# Altium PCB MCU014B_D1.PcbDoc (part 4 of 5) (continued)
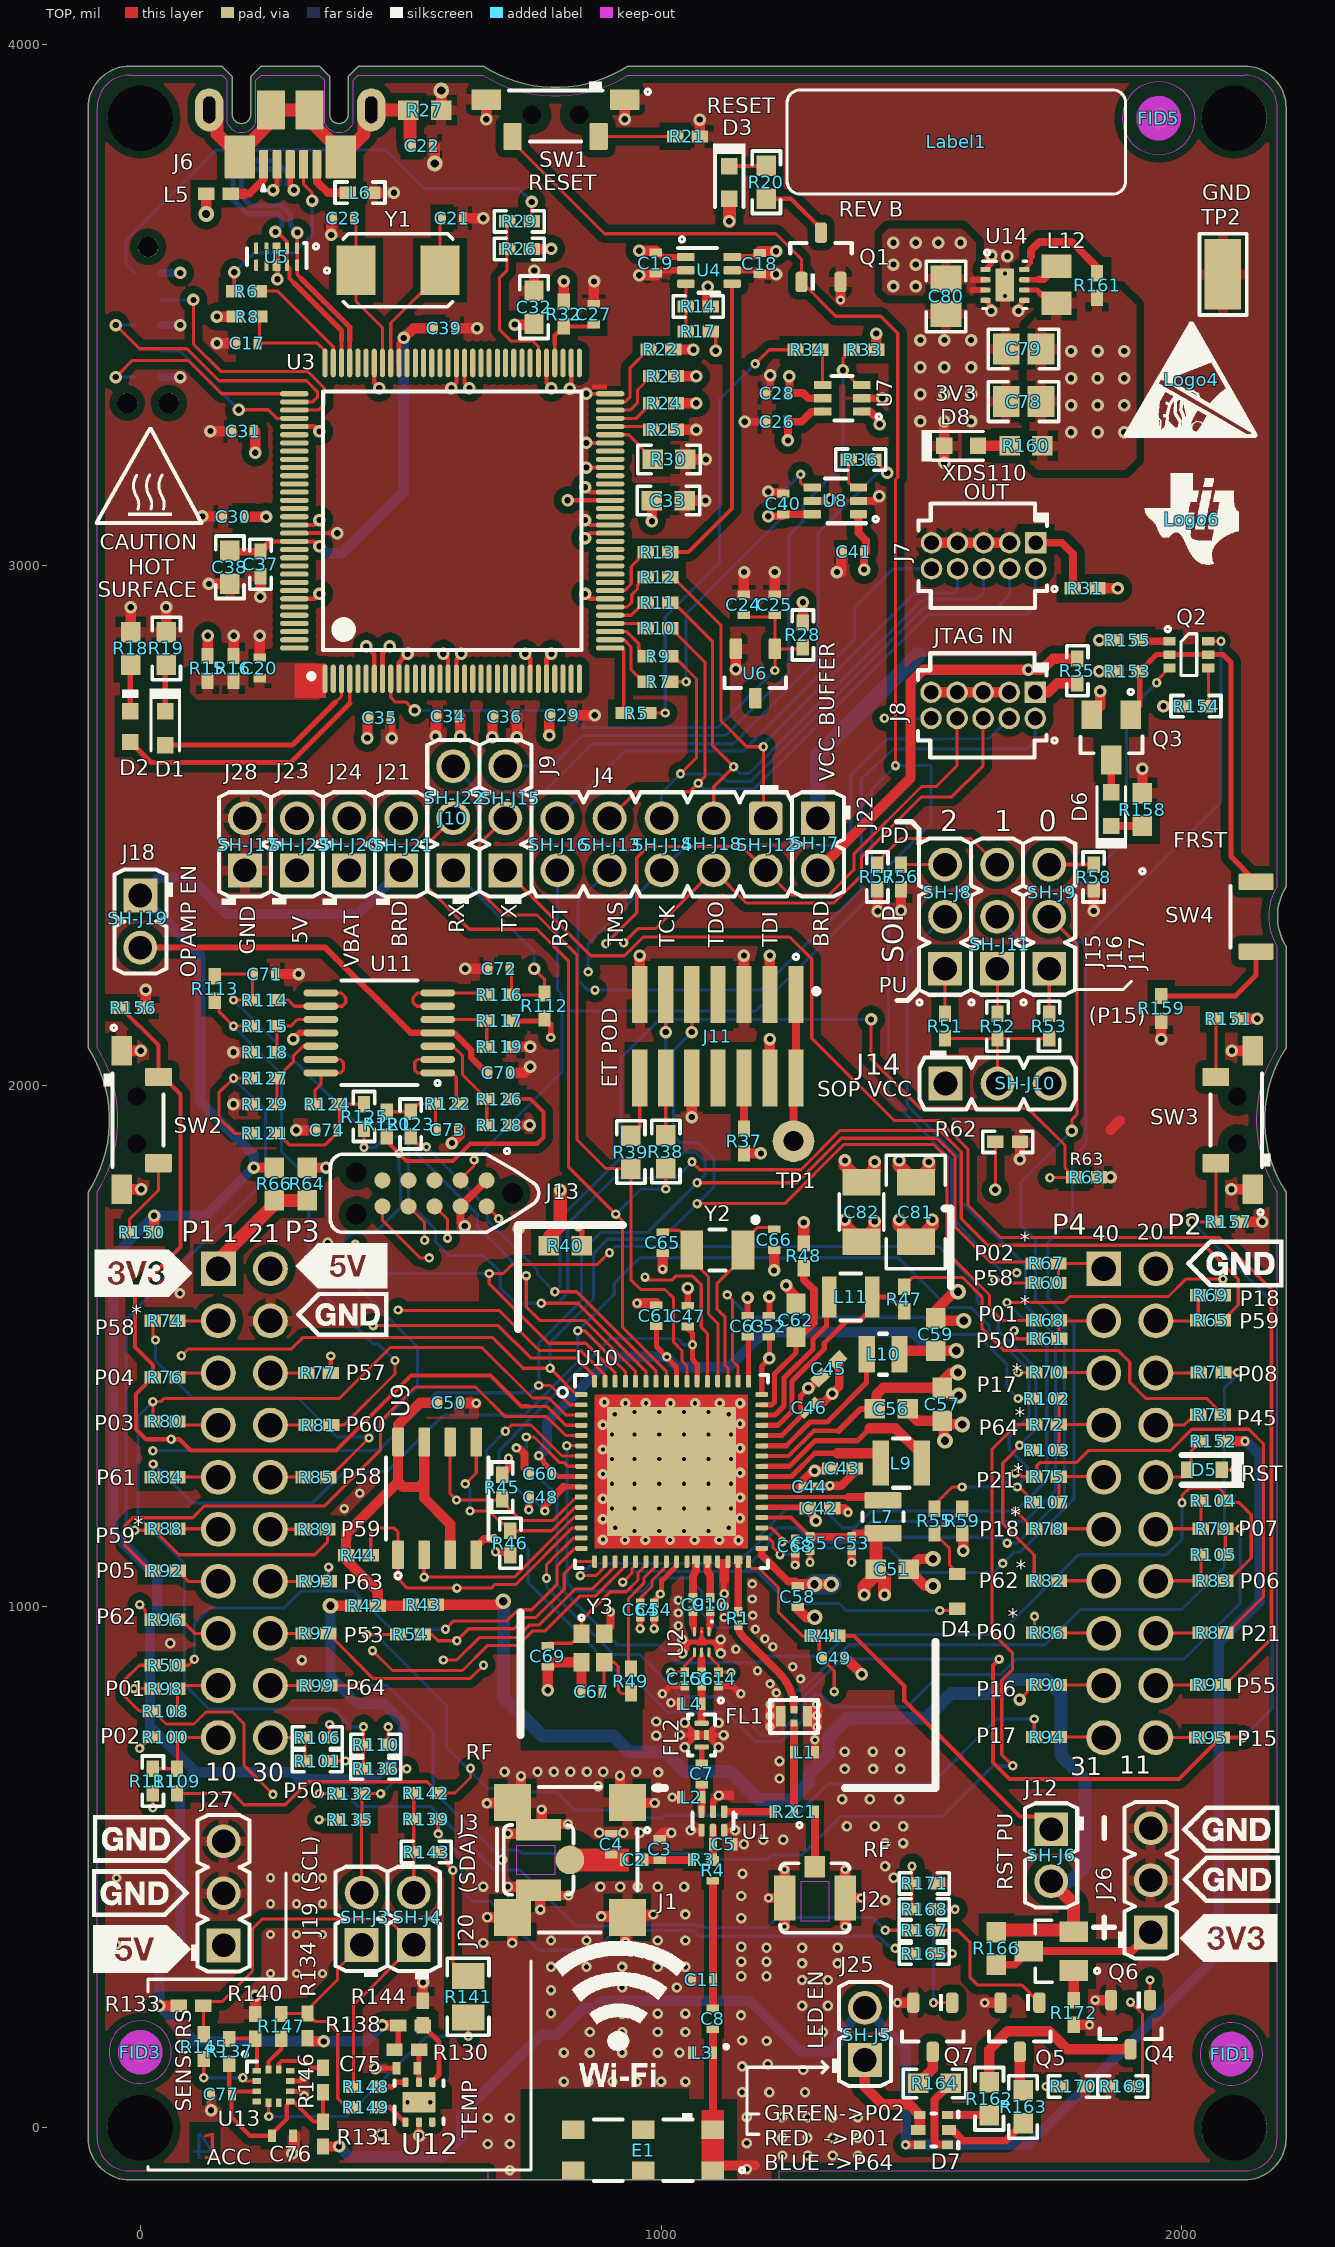
[diagram p0: TOP view]
## Nets (pads, with @x,y where several pads share a name; then routed paths per layer and width w, separated by ;. In a path a pad name is that pad's centre, name@x,y a point inside that pad or via, vN(x,y) a via of type N, cw(c..) or ccw(c..) an arc to the next point about the centre after c; other vN are vias at no path point) (continued)
  PWR w20: v1(381.62,-36) 414.09,-3.53 414.09,148.24
  BOTTOM w19.9: v6(365.31,1002) 365.31,865.67 416.77,814.21 467.72,814.21 505,776.94 505,725 449.21,669.21 303.91,669.21 290.91,682.21 107.63,682.21 ; v1(464.73,196.35) 434.1,165.72 v1(352.1,165.72) 104.65,165.72 v1(36.38,234) 36.38,299.67 76.26,339.55 76.26,650.85 107.63,682.21 ; J21.1@501,2414 417.13,2330.13 166.38,2330.13 96.5,2400.01 34.51,2400.01 J18.1@0.21,2365.71 115.56,2250.37 115.56,1969.87 218.3,1867.12 v1(218.3,1843.5) 125.61,1750.81 v1(26.62,1750.81) -51.93,1672.26 -51.93,1141.15 32.65,1056.57 32.65,983.96 18.63,969.94 18.63,771.21 107.63,682.21 ; J25.2@1391.23,230.06 1469.51,151.78 v2(1469.51,-32.87) 1704.78,-32.87 2070.5,332.85 2070.5,930.86 2149.28,1009.63 2149.28,1291.72 2123,1318 v2(2121,1318)
  BOTTOM w20: v1(381.62,-36) 400.49,-54.87 580.66,-54.87 616.17,-19.35 616.17,24.45 770.08,178.36 799.5,178.36 850.62,229.47 872.86,229.47 887.43,244.04 1170.04,244.04 1266.98,147.1 1324.61,147.1 1340,162.49 1340,178.83 J25.2@1391.23,230.06
VCC_BUFFER: C19.1 C28.1 C41.1 D3.2 J22.1 R14.1 R33.1 U4.1 U7.1 U7.5 U8.1 | length 1166.9
  TOP w12: C19.1@990,3603.62 1002.03,3591.59 U4.1@1047.71,3591.59
  TOP w15.01: v1(1246.22,3362.22) 1246.22,3330.41 1272.6,3330.41 1282.5,3320.51 1310.1,3320.51 U7.5@1310.2,3320.41 ; U8.1@1379,3097.82 1379,3061.98 1393.22,3047.76 1393.22,3025.41 1389.6,3021.79 v1(1389.6,2991.41) ; U7.1@1385,3294.82 1401.19,3294.82 1419.6,3276.41 v1(1419.6,3270.41)
  TOP w19.9: R33.1@1413.22,3413.41 v1(1413.22,3444.51)
  TOP w20: v1(958.19,3603.62) C19.1@990,3603.62 ; v1@1088.96,3534.64 1088.96,3502.61 R14.1@1094.95,3496.62
  TOP w25: v1(1131,3660) D3.2@1131,3703.2
  PWR w30: v1(1389.6,2991.41) 1377.04,3003.97 1377.04,3227.85 v1(1419.6,3270.41)
  BOTTOM w30: J22.1@1301,2514 1301,2636.14 1493.64,2827.73
  other v1: 1089.34,3534.26
VCC_LDO_3V3: C18.1 C26.1 C29.1 C30.1 C31.1 C32.1 C33.1 C34.1 C35.1 C36.1 C40.1 C78.1 C79.1 J5.1 J21.2 J24.2 L12.2 R22.1 R23.1 R24.1 R26.1 R28.2 R31.1 R32.1 R160.1 R161.2 U3.7 U3.8 U3.16 U3.26 U3.28 U3.39 U3.47 U3.51 U3.52 U3.69 U3.79 U3.90 U3.101 U3.113 U3.122 U4.6 U7.6 U8.6 U14.6 | length 1822.8
  TOP w7.5: U3.113@295.85,3077.13 334.63,3077.13 v1(344,3086.5) ; v1(581.76,2830) 591.13,2820.63 U3.16@591.13,2781.85 ; U3.79@622.62,3388.15 622.62,3349.37 v1(631.99,3340) ; U3.69@780.1,3388.15 780.1,3349.37 v1(789.47,3340) ; v1(854,3052.01) 863.37,3061.38 U3.47@902.15,3061.38
  TOP w9: U3.122@295.85,2935.39 334.63,2935.39 v1(344,2944.76) ; U3.101@295.85,3266.1 334.63,3266.1 v1(344,3256.73) ; v1(434,2844) 449.39,2828.61 U3.7@449.39,2781.85 ; U3.90@449.39,3388.15 449.39,3349.37 v1(458.76,3340) ; U3.8@465.14,2781.85 465.14,2830.24 v1(478.9,2844) ; v1(739.24,2830) 748.61,2820.63 U3.26@748.61,2781.85 ; U3.28@780.1,2781.85 780.1,2820.63 v1(789.47,2830) ; v1(820.37,3124.37) U3.51@902.15,3124.37 ; v1(854,2944.76) 863.37,2935.39 U3.39@902.15,2935.39 ; v1(854,3149.49) 863.37,3140.12 U3.52@902.15,3140.12
  TOP w9.84: U14.6@1697.4,3528.16 1721.84,3528.16 1728,3522
  TOP w12: U4.6@1136.29,3591.59 1177.97,3591.59 C18.1@1189,3602.62 ; 1728,3522 1747.43,3502.57 L12.2@1759,3502.57
  TOP w15.01: v1(1205.6,3093.79) 1234.6,3093.79 1238.63,3097.82 U8.6@1290.42,3097.82 ; v1(1243.6,3239.41) 1243.6,3272.79 1246.22,3275.41 1269.6,3275.41 1288.6,3294.41 1309.79,3294.41 U7.6@1310.2,3294.82
  TOP w20: C30.1@202.62,3093 203,3092.62 v1(241.62,3092.62) ; C31.1@221,3257 221,3216.76 v1@221.38,3216.38 ; v1(436,2668) 436.38,2668.38 C35.1@436.38,2707 ; v1(614.24,2671) 614.62,2671.38 C34.1@614.62,2710 ; v1(676,2670) 676.38,2670.38 C36.1@676.38,2709 ; v1(719,3461.87) 754.37,3461.87 C32.1@756,3463.5 ; R26.1@751.62,3607 v1(789,3607) ; v1(785.62,2673) 785.62,2711.24 C29.1@786.38,2712 ; R32.1@813,3505.62 813.38,3506 v1(813.38,3544.62) ; v1(982.5,3084.32) C33.1@982.5,3124 ; R22.1@1023,3414 1061.62,3414 v1(1062,3413.62) ; R24.1@1028.62,3311 1029,3310.62 v1(1067.62,3310.62) ; R23.1@1028.62,3363 1029,3362.62 v1(1067.62,3362.62) ; C18.1@1189,3602.62 v1(1220.81,3602.62) ; R28.2@1272,2889.62 1272.38,2890 v1(1272.38,2928.62) ; R31.1@1837.86,2955.63 1838.23,2955.25 v1(1876.86,2955.25)
  BOTTOM w15: J5.1@40,3561 v1(77,3561)
  other v1: 221,3216 1787,3255 1838,3255 1889,3255 1787,3307 1838,3307 1889,3307 1787,3359 1838,3359 1889,3359 1787,3411 1838,3411 1889,3411
VCC_OPAMP: C70.1 J18.2 U11.4 | length 772.8
  TOP w12: J18.2@0.21,2265.71 355.29,2265.71 519,2102 U11.4@571.2,2102 601.95,2102 635.63,2068.32 635.63,2054.75 C70.1@665.38,2025
VDD_ANA: C51.1 C52.1 C53.1 C54.1 C55.1 L7.1 U10.25 U10.36 U10.48 | length 639.8
  TOP w8: U10.36@1193.23,1171.42 1249.2,1171.42 C55.1@1285.88,1134.73
  TOP w10: C54.1@986.58,1007.25 986.58,1012.72 v2(998.62,1024.76) 1000.72,1026.86 1000.72,1049.31 1029.84,1078.43 U10.25@1029.84,1086.77 ; U10.48@1193.23,1407.64 1193.23,1462.23 v1(1208,1477) 1208,1514.38 C52.1@1207,1515.38
  TOP w15.01: C55.1@1287.1,1134.73 C53.1@1365.68,1134.73 1372.33,1141.38 1412.5,1141.38 L7.1@1426,1141.38
  TOP w25: v1(1390,1023) 1390,1039.24 1412.5,1061.74 C51.1@1412.5,1072 1429,1055.5 v1(1429,1023) ; C51.1@1412.5,1077 L7.1@1412.5,1141.38
VDD_DIG: C59.1 C60.1 C61.1 L10.1 U10.9 U10.56 | length 1290.5
  TOP w10: v2(765,1290) 774.13,1280.87 774.13,1277.11 801.08,1250.16 U10.9@846.77,1250.16 ; C61.1@991,1535.38 991,1500 v2(1011,1480) 1011,1478.63 1029.84,1459.79 U10.56@1029.84,1433.23
  TOP w19.9: L10.1@1457.62,1485 1464.12,1491.5 C59.1@1527,1491.5 v6(1566.81,1491.5)
  BOTTOM w19.9: v2(765,1290) 781,1306 781,1355 906,1480 v2(1011,1480) 1030.95,1460.05 1130.05,1460.05 1196.98,1526.98 1483.02,1526.98 1518.5,1491.5 v6(1566.81,1491.5)
VDD_PA: C56.1 C57.1 C58.1 U10.33 U10.42 | length 1592.1
  TOP w8: U10.42@1193.23,1289.53 1244.57,1289.53 1293.04,1338 1341,1338
  TOP w12: 1341,1338 1383,1380 C56.1@1410.5,1380
  TOP w15.01: U10.33@1193.23,1109.37 1193.23,1099.4 1244.19,1048.44 1257.62,1048.44 C58.1@1262.64,1043.42
  TOP w19.9: C57.1@1539,1420.5 1539,1432 1557,1450 v6(1570,1450)
  TOP w20: C58.1@1262.64,1043.42 v6(1294.67,1043.42) v6(1326.7,1043.42) ; C56.1@1410.5,1380 1413.5,1383 1413.5,1407.5 1426.5,1420.5 C57.1@1539,1420.5 ; C57.1@1540,1420.5 1554.79,1405.7 v6(1571.57,1405.7)
  PWR w40: v6(1294.67,1043.42) v6(1326.7,1043.42) 1344.72,1025.4 1344.72,985.33 1383.15,946.89 1556.3,946.89 1619.91,1010.51 1619.91,1379.69 1594.61,1405 1570,1405 1570.7,1405.7 v6(1571.57,1405.7) 1570,1407.27 v6(1570,1450)
  BOTTOM w40: v6(1294.67,1043.42) v6(1326.7,1043.42)
VREFA: C24.1 C25.1 R28.1 U3.9 U6.1 | length 1059
  TOP w6: U3.9@480.89,2781.85 480.89,2746.11 490,2737 511,2737 v1(527,2721) ; C24.1@1159,2900.38 1218,2900.38 1218.4,2899.98 U6.1@1218.4,2839.24 ; v2(1218.4,2797.6) U6.1@1218.4,2839.24 ; R28.1@1272,2842.38 1268.87,2839.24 U6.1@1218.4,2839.24
  BOTTOM w6: v1(527,2721) 817,2721 849.38,2688.62 1109.43,2688.62 v2(1218.4,2797.6)
XDS_JTAG_TCK: J4.5 J7.4 R9.1 | length 1200.2
  TOP w6: R9.1@1017.62,2825 1024.46,2825 1068,2781.46 1068,2630 v2(1037.21,2599.21)
  BOTTOM w6: J4.5@1001,2514 1001,2563 v2(1037.21,2599.21) 1113.21,2599.21 1128.02,2584.4 1171.53,2584.4 1506.2,2919.07 1645.04,2919.07 1669.19,2943.23 J7.4@1669.19,2993.01
XDS_JTAG_TDI: J4.1 J7.8 R12.1 | length 1101.5
  TOP w6: R12.1@1017.62,2977 1022.91,2977 1115,2884.91 1115,2701 1164.76,2651.24 v2(1196.44,2651.24) 1196.44,2519.44 1196,2519 J4.1@1201,2514
  BOTTOM w6: v2(1196.44,2651.24) 1196.44,2655.37 1196,2655.81 1486.14,2945.95 1499.17,2945.95 1499.48,2946.26 1561.53,2946.26 1569.19,2953.93 J7.8@1569.19,2993.01
XDS_JTAG_TDO: J4.3 J7.6 R11.1 | length 1159
  TOP w6: R11.1@1017.62,2928 1023.96,2928 1099,2852.96 1099,2653 v2(1139.21,2612.79) 1101,2574.57 J4.3@1101,2514
  BOTTOM w6: v2(1139.21,2612.79) 1152,2600 1168.78,2600 1203.02,2634.24 1203.48,2634.24 1213.44,2644.2 1213.44,2644.66 1504.04,2935.26 1607.15,2935.26 1619.19,2947.31 J7.6@1619.19,2993.01
XDS_JTAG_TMS: J4.7 J7.2 R10.1 | length 1397.3
  TOP w6: J4.7@901,2514 952,2565 1055,2565 v2(1071.21,2581.21) 1084,2594 1084,2813.95 1018.95,2879 R10.1@1017.62,2879
  BOTTOM w6: v2(1071.21,2581.21) 1082.02,2570.4 1178.58,2570.4 1513.8,2905.63 1703.01,2905.63 1718.24,2920.85 J7.2@1718.24,2992.05
XDS_NRESET: J4.9 J7.10 R17.1 | length 1747.6
  TOP w6: R17.1@1094.95,3448.69 1104.99,3438.66 v1(1104.99,3411.4)
  PWR w6: v1(1104.99,3411.4) 1383.09,3411.4 1469.07,3325.42 1469.45,3039.37 J7.10@1519.19,2993.01
  BOTTOM w6: J4.9@801,2514 930,2643 1156.64,2643 1370.98,2856.24 1370.98,2917.96 1446.03,2993.01 J7.10@1519.19,2993.01
XDS_UART_RX: R5.1 R34.2 | length 862.8
  TOP w6: R5.1@975.62,2716 v2(1008,2716) ; v2(1180.6,3386.41) 1207.6,3413.41 R34.2@1257.98,3413.41
  BOTTOM w6: v2(1008,2716) 1008,2900.36 1112,3004.36 1112,3317.81 v2(1180.6,3386.41)
XDS_UART_TX: R7.1 U8.4 | length 561.8
  TOP w6: R7.1@1017.62,2776 v2(1048,2776) ; v2(1267.94,3174.15) 1267.94,3158.29 1277.23,3149 U8.4@1290.42,3149
  BOTTOM w6: v2(1048,2776) 1048,2907.08 1235.91,3094.99 1235.91,3142.13 v2(1267.94,3174.15)
XDSET_DM: J6.2 U3.93 U5.1 U5.10 | length 645.1
  TOP w7: v1(301.83,3638.43) 301.24,3637.84 U5.1@301.24,3608.55 U5.10@301.24,3575.68 301.24,3558.18 308.94,3550.49
  TOP w8: U3.93@402.15,3388.15 402.15,3430.85 402.28,3430.98
  TOP w10: v1(255,3720) 255,3723.31 262.41,3730.72 J6.2@262.41,3768.63 ; 308.94,3550.49 402.28,3457.15 402.28,3430.98
  BOTTOM w10: v1(255,3720) 267,3732 267,3746.35 252.82,3760.54 211.43,3760.54 194.31,3743.42 194.31,3708.37 212.25,3690.43 271.03,3690.43 288.4,3673.06 288.4,3651.87 v1(301.83,3638.43)
XDSET_DP: J6.3 U3.94 U5.2 U5.9 | length 710
  TOP w7: v1(259.62,3639.67) 262.96,3639.67 281.56,3621.07 U5.2@281.56,3608.55 U5.9@281.56,3575.68 281.56,3575.38 286.57,3570.37 286.57,3550.23 295,3541.8
  TOP w8: 386.28,3430.72 386.4,3430.6 U3.94@386.4,3388.15
  TOP w10: J6.3@288,3768.63 288,3730.66 295,3723.66 v1(295,3720) ; 295,3541.8 386.28,3450.52 386.28,3430.72
  BOTTOM w10: v1(259.62,3639.67) 272.4,3652.46 272.4,3666.44 264.4,3674.43 205.62,3674.43 178.31,3701.74 178.31,3750.05 204.8,3776.54 259.44,3776.54 283,3752.98 283,3732 v1(295,3720)
XDSET_ID: J6.4 R6.1 | length 356.6
  TOP w6: R6.1@180.38,3526 v1(180.38,3562.38) ; J6.4@313.59,3768.63 313.59,3731.41 330,3715 v1(330,3700)
  BOTTOM w6: v1(180.38,3562.38) 217.02,3599.02 294.16,3599.02 330,3634.85 v1(330,3700)
pads on no net: E1.2 E1.3 E1.4 E1.5 FID1.1 FID2.1 FID3.1 FID4.1 FID5.1 FID6.1 J2.2@1354.36,440.99 J2.3@1236.25,440.99 J3.2@764.84,455.16 J3.3@764.84,573.27 J5.7 J5.9 J5.MH1 J5.MH2 J5.MH3 J11.7 J11.8 J13.3 J13.4 J13.5 J13.MH1 J13.MH2 J13.MH3 Label1.0 SH-J3.0 SH-J4.0 SH-J5.0 SH-J6.0 SH-J7.0 SH-J8.0 SH-J9.0 SH-J10.0 SH-J11.0 SH-J12.0 SH-J13.0 SH-J14.0 SH-J15.0 SH-J16.0 SH-J17.0 SH-J18.0 SH-J19.0 SH-J20.0 SH-J21.0 SH-J22.0 SH-J23.0 SW1. SW2. SW3. U3.2 U3.5 U3.6 U3.11 U3.12 U3.13 U3.14 U3.15 U3.18 U3.19 U3.20 U3.21 U3.22 U3.23 U3.24 U3.25 U3.27 U3.29 U3.30 U3.31 U3.32 U3.41 U3.42 U3.43 U3.44 U3.45 U3.46 U3.49 U3.50 U3.53 U3.54 U3.56 U3.57 U3.65 U3.67 U3.71 U3.72 U3.73 U3.74 U3.75 U3.76 U3.77 U3.78 U3.81 U3.82 U3.83 U3.84 U3.85 U3.86 U3.91 U3.92 U3.102 U3.103 U3.104 U3.105 U3.106 U3.107 U3.108 U3.109 U3.110 U3.111 U3.112 U3.116 U3.117 U3.118 U3.119 U3.120 U3.121 U3.123 U3.124 U3.125 U3.126 U3.127 U3.128 U5.3@261.87,3608.55 U5.4 U5.5 U5.6 U5.7 U5.8@261.87,3575.68 U6.3 U10.26 U10.65@925.51,1165.51 U10.65@925.51,1212.76 U10.65@925.51,1260 U10.65@925.51,1307.24 U10.65@925.51,1354.49 U10.65@972.76,1165.51 U10.65@972.76,1212.76 U10.65@972.76,1260 U10.65@972.76,1307.24 U10.65@972.76,1354.49 U10.65@1020,1165.51 U10.65@1020,1212.76 U10.65@1020,1260 U10.65@1020,1307.24 U10.65@1020,1354.49 U10.65@1067.24,1165.51 U10.65@1067.24,1212.76 U10.65@1067.24,1260 U10.65@1067.24,1307.24 U10.65@1067.24,1354.49 U10.65@1114.49,1165.51 U10.65@1114.49,1212.76 U10.65@1114.49,1260 U10.65@1114.49,1307.24 U10.65@1114.49,1354.49 U12.3 U12.7@517.42,48.96 U12.7@552.85,48.96 U13.4 U13.6 U13.10 U14.9@1660,3520.28 U14.9@1660,3555.72

## Polygon pours and split planes (outlines as drawn)
NetC20_1 on TOP "Bottom Layer-NetC2_1" (solid, remove dead copper, pour order 111): 354,2742 364,2752 364,2806 357,2813 257,2813 250,2806 246,2802 108,2802 96,2790 96,2755 109,2742
VCC_LDO_3V3 on TOP "Bottom Layer-VCC_LDO_3V3" (solid, remove dead copper, pour order 113): 1725,3523 1725,3480 1702,3457 1702,3296 1708,3290 1708,3197 1722,3183 1891,3183 1912,3204 1912,3499 1881,3530 1732,3530
VBUS_USB1 on TOP "Bottom Layer-VBUS_USB1" (solid, remove dead copper, pour order 112): 1628,3518 1635,3525 1635,3553 1632,3556 1607,3556 1604,3559 1604,3620 1578,3646 1436,3646 1425,3635 1425,3528 1435,3518
GND on TOP "Top Layer-GND" (solid, remove dead copper, pour order 114): -100,3955 2200,3955 2200,-100 -100,-100
VBUS_USB1 on BOTTOM "Bottom Layer-VBUS_USB1" (solid, remove dead copper, pour order 124): 265.02,2459 353.07,2459.07 360.21,2466.21 360.21,2880.79 317.04,2923.96 317.04,3346.04 461,3490 879,3490 906.34,3517.34 906.34,3615.34 979.08,3688.08 1366.92,3688.08 1406,3649 1406,3527 1430.81,3502.19 1578.19,3502.19 1587.21,3511.21 1587.21,3905.21 1571.21,3921.21 812.21,3921.21 628.21,3737.21 617.99,3726.99 539.45,3726.99 144.92,3726.99 108.37,3690.44 108.37,3276.37 78.01,3246.01 78.01,2746.99 240.04,2584.96 240.04,2483.98
VCC_BUFFER on BOTTOM "Bottom Layer-VCC_SENSE" (solid, remove dead copper, pour order 123): 1365,3036 1365,2830 1448.29,2746.71 1652.3,2746.71 1757.01,2642 2006,2642 2035,2671 2035,3412 1990.79,3456.21 1458.79,3456.21 1389,3526 1389,3633 1347,3675 987,3675 944,3632 931.02,3619.02 931.02,3426.98 1048,3310 1338,3310 1376,3272 1448,3200 1448,3117 1365,3034
GND on BOTTOM "Top Layer-GND" (solid, remove dead copper, pour order 125): -82.6,3954 2125.61,3954 2182.4,3897.21 2182.4,-10.21 2092.61,-100 62.19,-100 -82.6,44.79
VBAT_CC on PWR "Bottom Layer-VBAT_CC" (solid, remove dead copper, pour order 119): 648.12,987.54 662.66,973 831,973 861,1003 861,1408 878,1425 1159,1425 1169,1435 1169,1487 1193.91,1511.91 1242.09,1511.91 1263,1491 1263,1179.89 1295.89,1147 1457,1147 1468,1158 1468,1438 1547,1517 1594.21,1564.21 1594.21,2585.79 1516,2664 1157.8,2664 1116.8,2623 792,2623 749.77,2623 581.77,2455 164,2455 138,2429 138,1860 218,1780 400,1780 909,2289 947,2289 961,2275 982.28,2253.72 982.28,2069.23 777.09,1864.04 777.09,1780.91 789,1769 867,1769 896,1740 985,1651 985,1597.84 961.17,1574 827,1574 735,1482 689.99,1436.99 689.99,1169.42 648.12,1127.55
VCC_BRD on PWR "Bottom Layer-VCC_BRD" (solid, remove dead copper, pour order 118): 2159.48,1334.39 2160.08,2788.35 2079.21,2869.22 1704.21,2869.21 1609,2774 1609,2207 1609,1428.06 1749.09,1287.98 2113.07,1287.98
VCC_LDO_3V3 on PWR "Bottom Layer-VCC_LDO_3V3" (solid, remove dead copper, pour order 122): 370,2466 553,2466 601,2514 717,2630 1110,2630 1129,2649 1149.21,2669.21 1965.91,2669.21 2010,2713.3 2010,3890 1979.79,3920.21 -13.79,3920.21 -63,3871 -63,2511.82 -17.18,2466 369,2466
VDD_ANA on PWR "Bottom Layer-VDD_ANA" (solid, remove dead copper, pour order 116): 983.79,1011.46 988.64,1006.61 1013.94,1006.61 1019.71,1012.38 1019.71,1046.14 1030.46,1056.89 1338.79,1056.89 1393.68,1002 1454,1002 1470,1018 1470,1096 1429,1137 1286.31,1136.99 1254.94,1168.38 1254.94,1473.06 1233.29,1494.71 1197.33,1494.71 1179.21,1476.58 1179.21,1116.21 1162.81,1099.81 1026.71,1099.8 983.8,1056.89
GND on PWR "Bottom Layer-GND" (solid, remove dead copper, pour order 120): -90,2452 710.94,2452 990,2172.95 990,1680.45 990,1415 1158,1415 1165.33,1407.67 1165.33,1136.73 1313.22,988.8 1313.23,680.87 1067.33,680.87 910.42,523.96 60.04,523.96 -80,664 -94,678 -94,2429 -94,2448
GND on PWR "Bottom Layer-GND" (solid, remove dead copper, pour order 121): 2137,-100 2189,-48 2192,-45 2192,8 2192,1859 1625,1859 1597,1831 1597,1006.37 1427.84,837.21 1025.21,837.21 839,651 -76,651 -97,630 -97,-36 -57,-76 -33,-100
no net on M4 3D STEP Bottom "M4 3D STEP Bottom-No Net" (solid, pour order 126): 2155,180 ccw(c2095,180) 2095,240 ccw(c2095,180) 2035,180 ccw(c2095,180) 2095,120 ccw(c2095,180) 2155,180
no net on M4 3D STEP Bottom "M4 3D STEP Bottom-No Net" (solid, pour order 128): 60,145 ccw(c0,145) 0,205 ccw(c0,145) -60,145 ccw(c0,145) 0,85 ccw(c0,145) 60,145
no net on M4 3D STEP Bottom "M4 3D STEP Bottom-No Net" (solid, pour order 127): 2015,3505 ccw(c1955,3505) 1955,3565 ccw(c1955,3505) 1895,3505 ccw(c1955,3505) 1955,3445 ccw(c1955,3505) 2015,3505
GND on GND "Top Layer-GND" (solid, remove dead copper, pour order 115): -39,3958 2139,3958 2185,3912 2185,3745 2185,-10 2160,-35 2095,-100 65,-100 -65,30 -80,45 -80,193.67 -80,3917

## Keep-outs
BOTTOM:
  circle w0: c1328.37,1409.13 r16
  circle w0: c1578.43,1350.19 r16
  circle w0: c1545,1319 r16
  circle w0: c1358.78,1181.27 r16
  circle w0: c1324.35,1232.86 r16
Keep-Out Layer:
  circle w1: c0,145 r60
  circle w1: c2094.68,141.5 r60
  circle w1: c1955.31,3858 r70
  lines w1: 658.69,3940.94 ccw(c797.29,4160.92) 935.97,3941 2120,3941 cw(c2118.5,3876.5) 2183,3875 2183,2384 ccw(c2275.22,2325.9) 2183.03,2267.76 ; 658.69,3941 418.91,3941 409.22,3931.31 409.22,3848.48 cw(c381.5,3861.4) 353.79,3848.48 353.79,3931.31 344.1,3941 231.9,3941 222.21,3931.31 222.21,3848.48 cw(c194.5,3861.4) 166.78,3848.48 166.78,3931.31 157.09,3941 -20,3941 ccw(c-20,3878) -83,3878 -83,2074.19 cw(c-302.92,1935.5) -83,1796.81 -83,-20 ccw(c-20,-20) -20,-83 667.81,-83 667.81,-97.58 ; 1226.52,-97.58 1226.52,-83 2120,-83 ccw(c2120,-20) 2183,-20 2183,1796 cw(c2402.92,1934.69) 2182.94,2073.28 ; 2183,2073.28 2183,2268

## Other copper
TOP:
  region net NetC2_2: 938.26,536.06 837.91,536.06 837.91,492.36 938.26,492.36
  rectangle net GND: 1077.8,-82.28 1121.11,33.86
  rectangle net GND: 867.21,3337.21 895.71,3346.91
  rectangle net GND: 872,1112 1167.28,1407.28
  rectangle net NetC20_1: 296,2745 357,2811
  rectangle net GND: 1104.84,629.06 1140.23,647.05
  pour cut-out: 721.53,551.61 721.53,554.67 711.53,554.67 711.53,552.95 710.2,551.62 ccw(c718.95,542.8) 706.52,542.84 706.52,486.65 ccw(c716.37,486.65) 709.41,479.69 709.86,479.24 ccw(c715.73,485.11) 715.73,476.81 808.14,476.81 808.14,455.25 824.87,455.25 ccw(c824.88,514) 866.42,472.46 950.76,474.7 950.76,553.97 869.49,553.97 868.41,553.97 866.4,555.97 ccw(c824.88,514.45) 824.87,573.17 808.14,573.17 808.14,551.61
  pour cut-out: 772.5,75.2 1054,75.2 1054,55.51 1146.52,55.51 1146.52,-100 772.5,-100
  pour cut-out: 1076.92,536.35 1081.92,536.35 1081.92,534.27 1080.18,532.53 1079.06,532.53 1076.92,534.68
  pour cut-out: 1077.65,169.68 1077.65,211.34 1077.77,211.21 1121.27,211.21 1121.27,169.68
  pour cut-out: 1277.81,628.65 1277.81,584.65 1272.81,584.65 1272.81,628.65
  pour cut-out: 1232.81,628.65 1232.81,584.65 1237.81,584.65 1237.81,628.65
  pour cut-out: 1121.46,496.71 1121.46,491.71 1119.38,491.71 1117.64,493.45 1117.64,494.57 1119.79,496.71
  pour cut-out: 1077.65,248.74 1077.65,207.09 1077.77,207.21 1121.27,207.21 1121.27,248.74
  pour cut-out: 1081.96,456.71 1116.96,456.71 1116.96,51.74 1081.96,51.74
  pour cut-out: 183.09,3404.4 183.09,3381.57 185.35,3379.31 246.32,3379.31 254.14,3387.13 254.14,3401.35 245.79,3409.7 188.38,3409.7
  pour cut-out: 729.61,-100.02 772.47,-100.02 772.47,75.2 729.61,75.2
  pour cut-out: 588.34,35.91 598.09,35.91 599.41,37.23 599.41,78.9 588.67,89.64 545.38,89.64 528.91,73.18 528.91,34.15 538.81,24.25 548.72,24.25 560.37,35.91
  pour cut-out: 272.19,1938.19 309,1938.19 309,2004.93 299.24,2014.7 293.37,2014.7 293.37,1959.37
  pour cut-out: 442.2,1094.88 442.2,1100.94 458,1100.94 458,1073 445,1073 443.43,1072.93 441.87,1072.73 440.34,1072.39 438.84,1071.91 437.39,1071.31 436,1070.59 434.68,1069.74 433.43,1068.79 432.27,1067.73 432.14,1067.6 431.51,1067 430.82,1066.46 430.09,1065.99 429.32,1065.58 428.52,1065.24 427.69,1064.96 426.84,1064.77 425.97,1064.64 425.1,1064.6 424.23,1064.63 423.36,1064.73 422.51,1064.91 421.68,1065.17 420.87,1065.49 420.09,1065.89 419.35,1066.35 418.65,1066.87 418,1067.45 417.93,1067.53 407.65,1077.81 407.06,1078.45 406.52,1079.15 406.06,1079.88 405.65,1080.66 405.32,1081.46 405.06,1082.29 404.87,1083.15 404.75,1084.01 404.72,1084.88 404.75,1085.75 404.87,1086.62 405.06,1087.47 405.32,1088.3 405.65,1089.11 406.06,1089.88 406.52,1090.62 407.06,1091.31 407.65,1091.95 408.29,1092.54 408.98,1093.07 409.72,1093.54 410.49,1093.94 411.3,1094.28 412.13,1094.54 412.98,1094.73 413.84,1094.84 414.72,1094.88 442.2,1094.88
  pour cut-out: 831,1087.54 831.77,1086.77 1173.76,1086.77 1173.76,1129.22 1197.17,1129.22 1197.17,1428 831,1428
  pour cut-out: 366.36,1992.7 367.25,1991.81 544.63,1991.81 544.63,2204.37 544,2205 369,2205 364,2200 365.09,2198.91 365.09,1994.19
  pour cut-out: 650,1493 650,1648.15 670.07,1668.22 721.2,1668.22 736.21,1653.21 736.21,1579.21
  pour cut-out: 986.17,914.1 1016.44,944.36 1016.44,1499 656,1499 650,1493 650,1363 648,1361 458,1361 453,1356 453,1063 460,1056 724,1056 730,1050 751.66,1050 769.25,1032.41 769.25,1002.53 760.93,994.21 734.94,994.2 730,989.27 730,723.54 965.05,723.54 965.05,914.1
  pour cut-out: 1319.57,839.93 1319.57,966 1245.27,966 1245.28,1402.72 1179,1469 1042,1469 942,1569 942,1765 947,1770 1612,1770 1612,839.93
  pour cut-out: 1295.21,1753.21 1302.21,1746.21 1565.21,1746.21 1575,1756 1575,1854 1538,1891 1335,1891 1295.21,1851.21
  pour cut-out: 1946.07,1679.22 1946.07,1629.99 1994.32,1629.99 1994.32,1679.22
  pour cut-out: 953.26,492.21 953.26,536.21 948.26,536.21 948.26,492.21
  region net NetC9_1: 1053.85,967.78 1054.27,965.42 1056.34,961.71 1060.69,949.34 1062,946.47 1066.59,946.51 1067.36,951.83 1068.76,967.41
  region net NetC10_1: 1101.76,967.78 1101.34,965.42 1099.27,961.71 1094.92,949.34 1093.61,946.47 1089.02,946.51 1088.25,951.83 1086.85,967.41
  region net NetC6_2: 1077.81,912.93 1075.15,912.93 1070.69,899.09 1084.89,899.09 1080.65,912.9
  pour cut-out: 603.58,556.02 603.58,625.19 600.39,628.38 596.07,628.38 595.42,627.73 595.42,557.88 597.52,555.77 603.33,555.77
  text "1" at 116,-60.63 h50
  text ".layer_Name" at -466,-1142 h60
GND:
  pour cut-out: 721.53,551.61 721.53,554.67 711.53,554.67 711.53,552.95 710.2,551.62 ccw(c718.95,542.8) 706.52,542.84 706.52,486.65 ccw(c716.37,486.65) 709.41,479.69 709.86,479.24 ccw(c715.73,485.11) 715.73,476.81 808.14,476.81 808.14,455.25 824.87,455.25 ccw(c824.88,514) 866.42,472.46 950.76,474.7 950.76,553.97 869.49,553.97 868.41,553.97 866.4,555.97 ccw(c824.88,514.45) 824.87,573.17 808.14,573.17 808.14,551.61
  pour cut-out: 721.53,476.81 721.53,472.75 711.53,472.75 711.53,475.47 710.89,476.11 cw(c721.43,486.65) 706.52,486.65 ccw(c716.37,486.65) 709.41,479.69 709.86,479.24 ccw(c715.73,485.11) 715.73,476.81
  pour cut-out: 729.61,-100.02 772.5,-100.02 772.5,75.2 729.61,75.2
  pour cut-out: 452.71,2851.1 460.19,2851.1 460.19,2836.9 452.71,2836.9
  pour cut-out: 772.5,75.2 1054,75.2 1054,55.51 1146.52,55.51 1146.52,-100 772.5,-100
  text "2" at 116,-60.63 h50
  text ".layer_Name" at -466,-1142 h60
PWR:
  pour cut-out: 1151.77,1036.58 1159.79,1028.56 1189.35,1028.56 1197.77,1036.98 1197.77,1049.19 1189.78,1057.18 1035.55,1057.18 1019.77,1041.41 1019.77,1002.75 1014.48,997.46 1041.49,997.46 1080.62,1036.58
  pour cut-out: 729.61,-100.02 772.5,-100.02 772.5,75.2 729.61,75.2
  pour cut-out: 709.96,1745.76 709.96,1716.17 721.78,1704.35 738.05,1704.35 750.89,1717.19 750.89,1744.62 743.36,1752.14 716.34,1752.14
  pour cut-out: 606.4,1750.48 606.4,1720.89 618.22,1709.07 634.49,1709.07 647.33,1721.9 647.33,1749.33 639.8,1756.86 612.78,1756.86
  pour cut-out: 960.47,1597.86 945.04,1597.57 940.23,1593.22 940.3,1579.01 950.57,1568.74 956.74,1568.74 967.31,1579.32 967.31,1591.02
  pour cut-out: 892.44,1742.47 897.29,1747.31 903.55,1741.23 903.55,1739.19 899.05,1734.7
  pour cut-out: 279.51,3646.94 282.09,3646.94 282.09,3632.75 279.51,3632.75
  pour cut-out: 313.29,3714.74 317.74,3710.97 310.31,3703.53 307.95,3705.9
  pour cut-out: 273.71,3727.1 276.29,3727.1 276.29,3712.9 273.71,3712.9
  pour cut-out: 270.21,2464.21 270.21,2445.21 271.21,2444.21 631.21,2444.21 641.48,2454.48 633.75,2462.21 272.21,2462.21
  pour cut-out: -24.68,-75 -40,-75 -80,-35 -80,-6.63 -70.68,-6.63 -70.05,-10.91 -68.91,-16.9 -67.24,-22.78 -65.07,-28.49 -62.41,-33.99 -59.29,-39.23 -55.71,-44.18 -51.72,-48.8 -47.34,-53.06 -42.61,-56.92 -37.56,-60.35 -32.23,-63.33 -27.75,-65.39 -24.68,-66.67 -24.68,-75
  pour cut-out: 108.61,1690.91 112.11,1694.41 189.21,1694.41 213.91,1669.71 213.91,1659.01 203.9,1649 112.53,1649 108.51,1653.01 108.61,1653.11
  pour cut-out: 708.31,2644.21 712.81,2639.71 725.01,2639.71 727.51,2642.21 727.51,2665.73 723.24,2670 713.4,2670 708.31,2664.91
  pour cut-out: 1291.9,3146.41 1290.35,3154.22 1285.93,3160.83 1279.32,3165.25 1271.51,3166.8 1263.71,3165.25 1257.09,3160.83 1252.67,3154.22 1251.12,3146.41 1252.67,3138.61 1257.09,3131.99 1263.71,3127.57 1271.51,3126.02 1279.32,3127.57 1285.93,3131.99 1290.35,3138.61 1291.9,3146.41
  pour cut-out: 772.5,75.2 1054,75.2 1054,55.51 1146.52,55.51 1146.52,-100 772.5,-100
  pour cut-out: 661.05,1143.2 661.05,1106.31 682.04,1085.32 694.13,1085.32 704.15,1095.33 704.15,1145.27 694.13,1155.29 673.14,1155.29
  pour cut-out: 754.47,1939.86 739.04,1939.57 734.23,1935.22 734.3,1921.01 744.57,1910.74 753.17,1910.74 761.31,1918.88 761.31,1933.02
  pour cut-out: 986.02,838.04 992.86,844.88 1014.32,844.88 1033.48,825.72 1033.48,812.17 1025.35,804.04 1010.08,804.04 986.02,828.1
  pour cut-out: 1142.97,819.23 1181.53,819.23 1188.69,826.39 1216.28,826.39 1221.69,820.97 1221.69,769.99 1218.2,766.5 1142.97,766.5
  pour cut-out: 1188.55,847.65 1196.95,839.24 1211.93,839.24 1217.15,844.45 1266.28,844.45 1284.72,862.9 1284.72,891.66 1278.77,897.61 1238.51,897.61
  pour cut-out: 1179.11,1054.09 1179.11,1048.55 1247.77,1048.55 1255.5,1056.28 1255.5,1078.2 1242.56,1091.14 1216.17,1091.14
  text "3" at 116,-60.63 h50
  text ".layer_Name" at -466,-1142 h60